# Altium PCB pcb.PcbDoc
Units mm, origin at the board's own origin, x right, y up, seen from the top; angles counter-clockwise.
Board outline 65 x 45 mm, 4 copper layers (Top Layer, GND, SIG, Bottom Layer), stack 0.778 mm thick; 97 components, 73 nets, 368 pads, 150 vias.
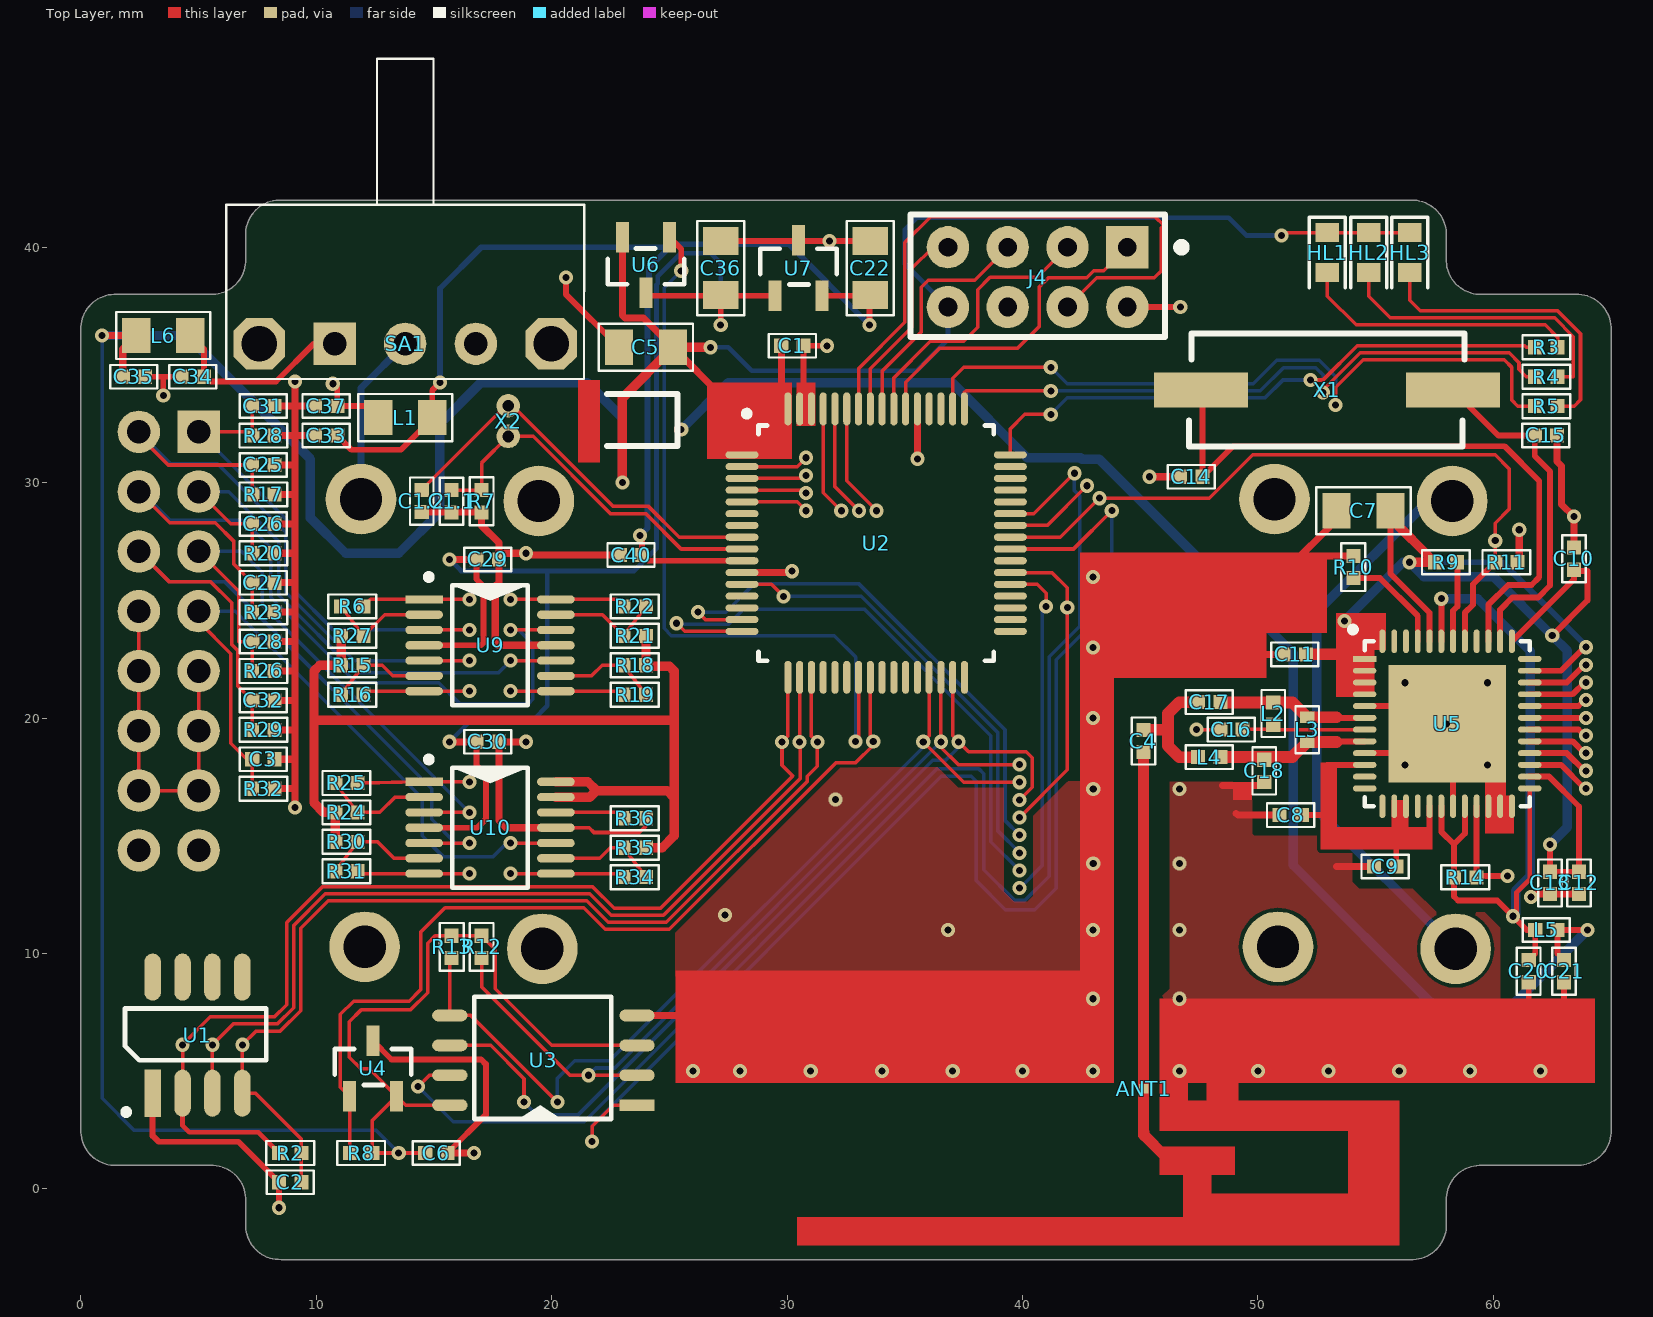
[diagram p0: Top Layer view]
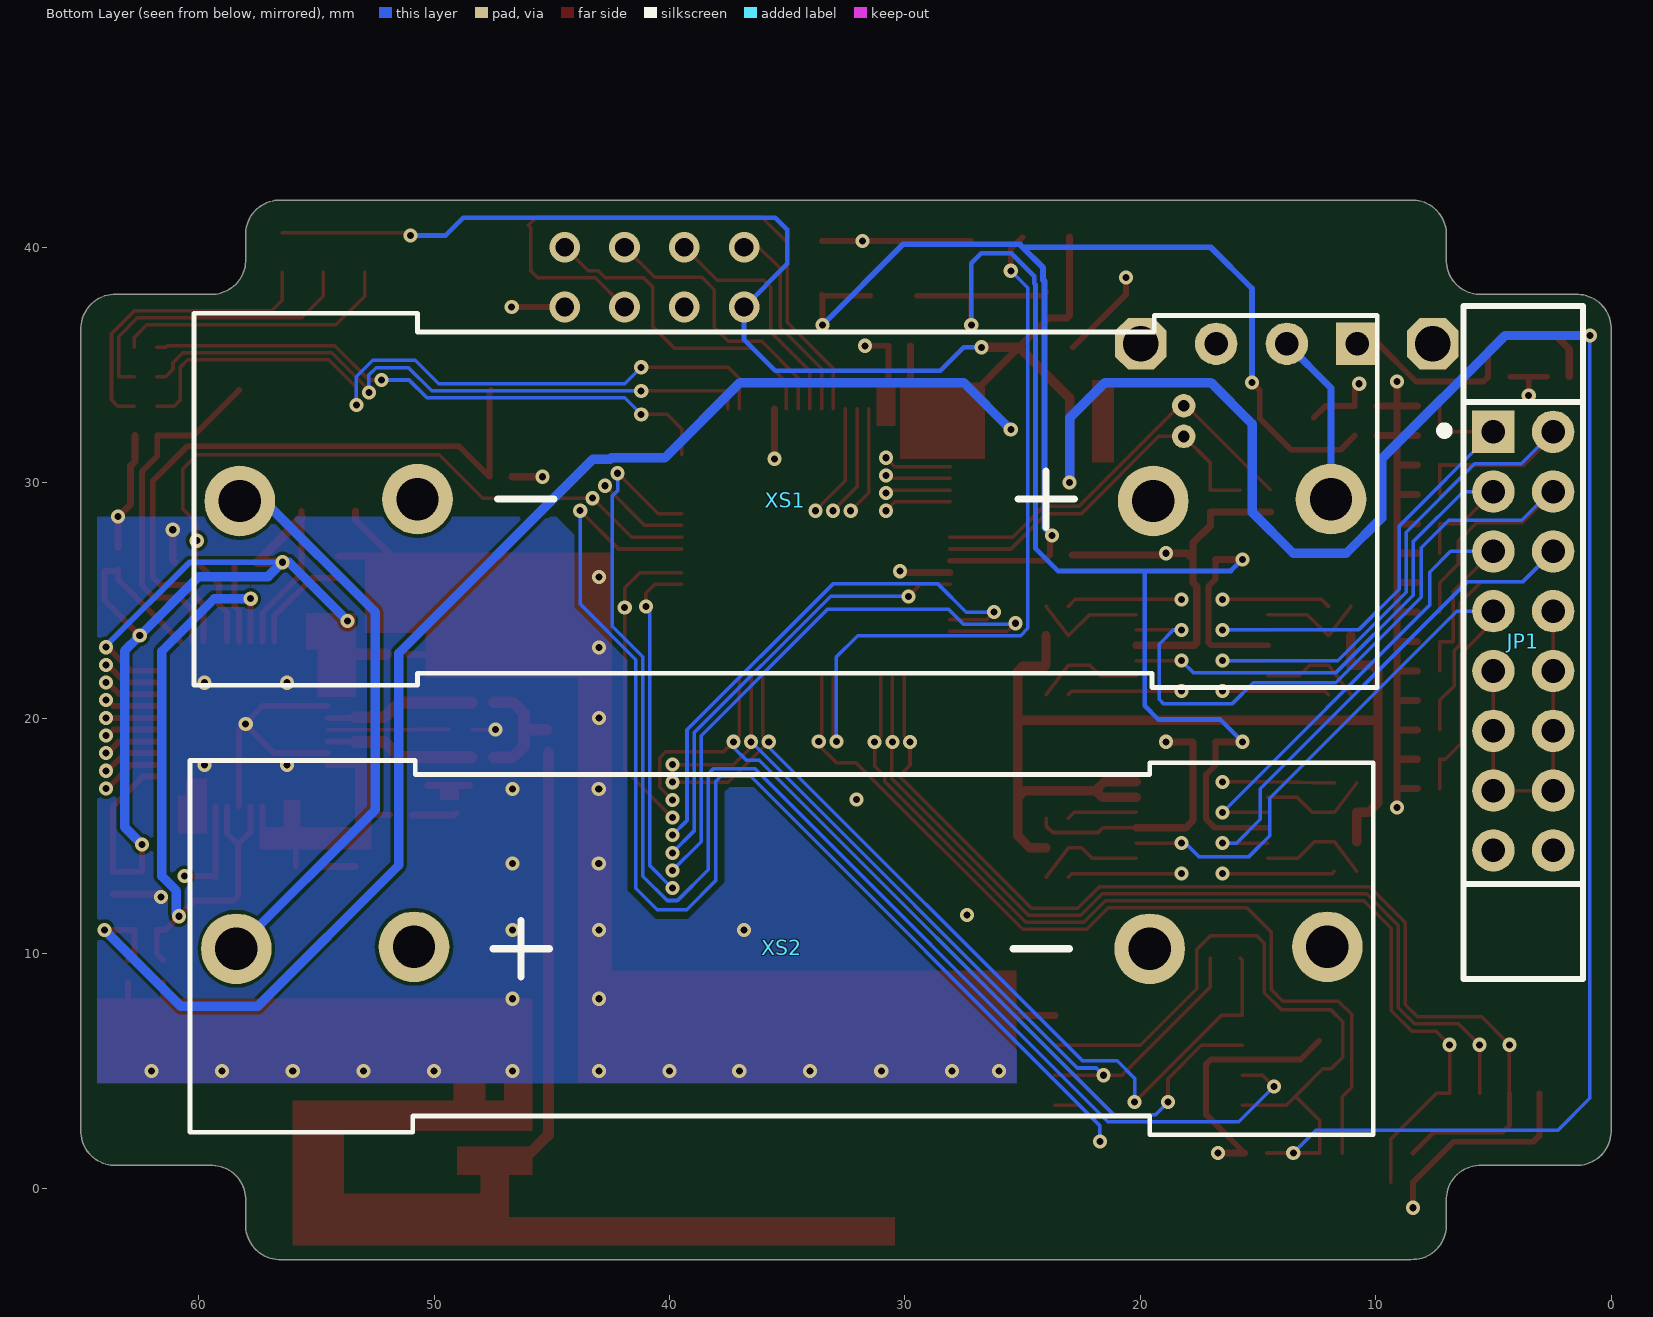
[diagram p1: Bottom Layer view, seen from below]
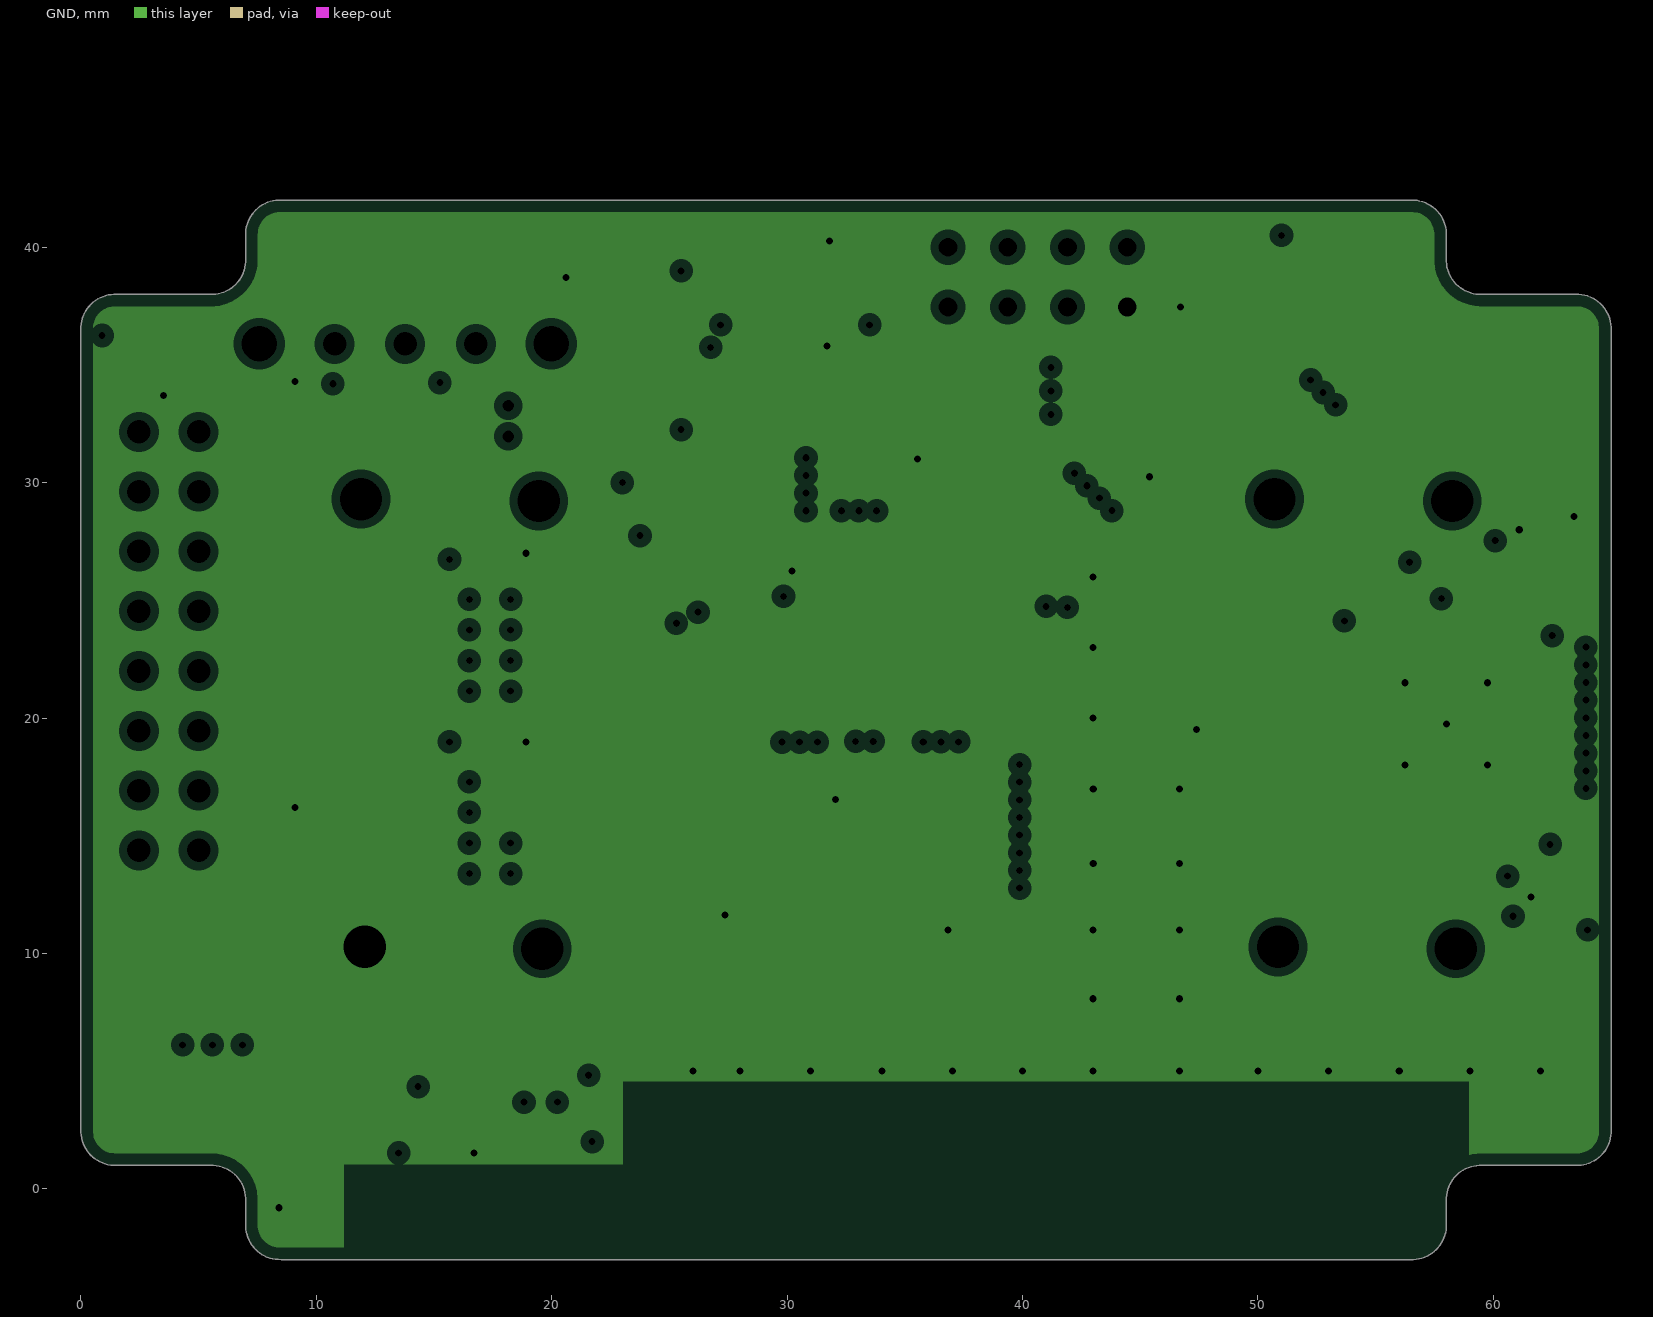
[diagram p2: GND, clearances drawn from the general rule]
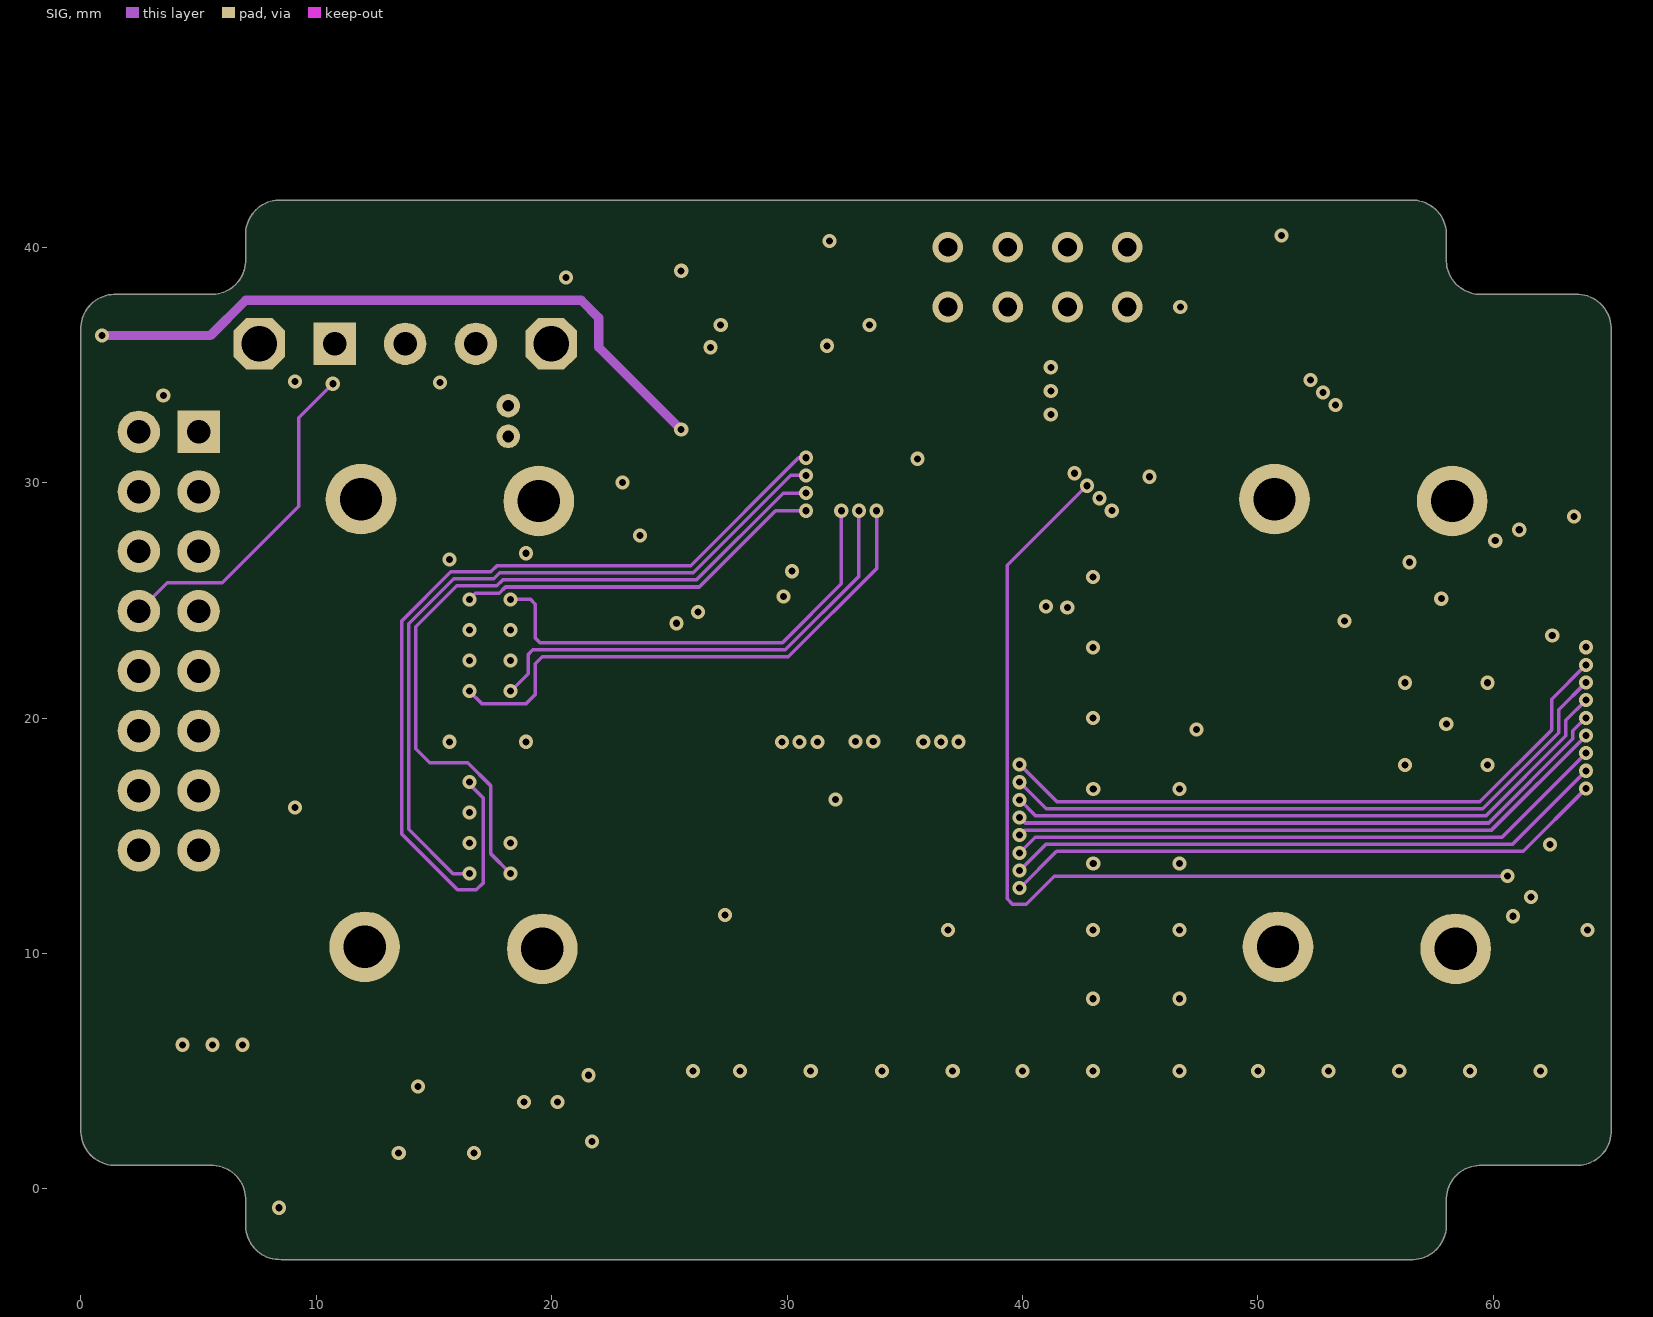
[diagram p3: SIG]

## Layer stack, top to bottom
Top Solder: solder mask 0.0102, Solder Resist, Dk 3.5
Top Layer: signal copper 0.0356
Dielectric 1: core 0.254, FR-4, Dk 4.2
GND: plane copper 0.036, net GND
Dielectric 2: core 0.254, Dk 4.2
SIG: signal copper 0.036
Dielectric 3: prepreg 0.127, Dk 4.2
Bottom Layer: signal copper 0.0356
Bottom Solder: solder mask 0.0102, Solder Resist, Dk 3.5

## Board outline
1.5,1 5.5,1 cw(c5.55,-0.45) 7,-0.4 7,-1.6 ccw(c8.45,-1.55) 8.5,-3 56.6,-3 ccw(c56.55,-1.55) 58,-1.5 58,-0.5 cw(c59.45,-0.45) 59.4,1 63.6,1 ccw(c63.55,2.45) 65,2.5 65,36.6 ccw(c63.55,36.55) 63.5,38 59.5,38 cw(c59.45,39.45) 58,39.4 58,40.6 ccw(c56.55,40.55) 56.5,42 8.4,42 ccw(c8.45,40.55) 7,40.5 7,39.5 cw(c5.55,39.45) 5.6,38 1.4,38 ccw(c1.45,36.55) 0,36.5 0,2.4 ccw(c1.45,2.45)

## Design rules (kind name [scope] priority, off if disabled: settings)
Clearance [All] p1: gap=0.15
HoleSize [All] p1: absolutevalues=TRUE maxlimit=5 minlimit=0.3 maxpercent=80.000 minpercent=20.000
PlaneClearance [All] p1: clearance=0.35
PlaneConnect [All] p1: planeconnectstyle=Direct reliefexpansion=0.508 reliefentries=4 reliefconductorwidth=0.254 reliefairgap=0.254
PolygonConnect [All] p1: connectstyle=Direct reliefconductorwidth=0.254 reliefentries=4 polygonreliefangle="90 Angle" airgapwidth=0.254
RoomDefinition SIG_CON [InComponentClass('SIG_CON')] p1: confinementstyle=ConfineIn formatcopy=TRUE lockcomponents=FALSE outline -93,-47 -42.2,-47 -42.2,-21.6 -93,-21.6
RoomDefinition scheme_grab [InComponentClass('scheme_grab')] p2: confinementstyle=ConfineIn formatcopy=TRUE lockcomponents=FALSE outline -93,-47 -42.2,-47 -42.2,-21.6 -93,-21.6
RoutingVias [All] p1: holewidth=0.3 width=1 viastyle="Through Hole" minholewidth=0.3 minwidth=0.6 maxholewidth=1 maxwidth=1
SolderMaskExpansion [All] p1: expansion=0.102
UnpouredPolygon [All] p1: allowunpoured=FALSE
Width [All] p1: maxlimit=2 minlimit=0.15 preferedwidth=0.15
26 further rules are at their usual default settings.

## Classes and differential pairs
component class scheme_grab: ANT1 C1 C1.1 C1.2 C2 C4 C5 C6 C7 C8 C9 C10 C11 C12 C13 C14 C15 C16 C17 C18 C20 C21 C22 C29 C30 C34 C35 C36 C40 HL1 HL2 HL3 J4 L2 L3 L4 L5 L6 R2 R3 R4 R5 R6 R7 R8 R9 R10 R11 R12 R13 R14 R15 R16 R18 R19 R21 R22 R24 R25 R27 R30 R31 R34 R35 R36 SA1 U1 U2 U3 U4 U5 U6 U7 U9 U10 X1 X2 XS1 XS2
component class SIG_CON: C3 C25 C26 C27 C28 C31 C32 C33 C37 JP1 L1 R17 R20 R23 R26 R28 R29 R32

## Components (designator, comment, footprint, x,y, rotation, side; value= is the part's Value field where it differs from the comment)
ANT1 "PCB ANTENNA 2.4Ghz" F-antena 45.822,4.496 r180 top
C1 "100 нФ" CAP0402 30.226,35.814 r0 top
C1.1 "8 пФ" CAP0402 15.748,29.21 r270 top
C1.2 "8 пФ" CAP0402 14.478,29.219 r270 top
C2 "100 нФ" CAP0402 8.89,0.282 r0 top
C3 "10 нф" CAP0402 7.75,18.25 r180 top
C4 "5.6 pF, +/- 0.25pF, NP0, 0402" CAP0402 45.136,19.025 r270 top
C5 "10 мкФ" CAP0805 24.003,35.75 r180 top
C6 "100 нФ" CAP0402 15.1,1.524 r180 top
C7 "10 мкФ" CAP0805 54.483,28.804 r180 top
C8 "100 нФ" CAP0402 51.384,15.875 r180 top
C9 "100 нФ" CAP0402 55.397,13.691 r180 top
C10 "100 нФ" CAP0402 63.424,26.772 r270 top
C11 "100 нФ" CAP0402 51.562,22.708 r180 top
C12 "33 пФ" CAP0402 63.633,12.995 r270 top
C13 "100 нФ" CAP0402 62.408,12.995 r270 top
C14 "Расчет в pdf cc2420 стр 54" CAP0402 47.168,30.251 r180 top
C15 "27 пф" CAP0402 62.23,32.004 r0 top
C16 "5.6 pF, 10%, X5R, 0402" CAP0402 48.87,19.507 r180 top
C17 "0.5 pF, +/- 0.25pF, NP0, 0402" CAP0402 47.93,20.676 r0 top
C18 "0.5 pF, +/- 0.25pF, NP0, 0402" CAP0402 50.267,17.755 r270 top
C20 "100 нФ" CAP0402 61.5,9.25 r90 top
C21 "100 нФ" CAP0402 63,9.25 r90 top
C22 "10 мкФ" CAP0805 33.528,39.116 r270 top
C25 "10 нф" CAP0402 7.75,30.75 r0 top
C26 "10 нф" CAP0402 7.75,28.25 r0 top
C27 "10 нф" CAP0402 7.75,25.75 r180 top
C28 "10 нф" CAP0402 7.75,23.25 r180 top
C29 "100 нФ" CAP0402 17.278,26.742 r180 top
C30 "100 нФ" CAP0402 17.278,18.992 r180 top
C31 "10 нф" CAP0402 7.75,33.25 r0 top
C32 "10 нф" CAP0402 7.75,20.75 r180 top
C33 "100 нФ" CAP0402 10.414,32 r0 top
C34 "100 нФ" CAP0402 4.75,34.5 r0 top
C35 "100 нФ" CAP0402 2.25,34.5 r180 top
C36 "10 мкФ" CAP0805 27.178,39.116 r90 top
C37 "100 нФ" CAP0402 10.414,33.25 r0 top
C40 "100 нФ" CAP0402 23.368,26.924 r0 top
HL1 "Красный" "LED 0603" 53,39.75 r90 top
HL2 "Зеленый" "LED 0603" 54.75,39.75 r90 top
HL3 "Пурпурный" "LED 0603" 56.5,39.75 r90 top
J4 "?" "PBD-08 - POGO PIN" 44.45,40 r270 top
JP1 "?" IDC-16MR 5,22 r90 bottom locked
L1 "BK1005HS102-T" IND0805 13.775,32.766 r180 top
L2 "BK1005HS102-T" IND0402 50.648,20.193 r90 top
L3 "BK1005HS102-T" "IND0402 - SMAL" 52.095,19.507 r90 top
L4 "BK1005HS102-T" IND0402 47.93,18.339 r0 top
L5 "BK1005HS102-T" IND0402 62.25,11 r180 top
L6 "BK1005HS102-T" IND0805 3.5,36.25 r180 top
R2 "RES0805" RES0402 8.89,1.524 r0 top
R3 "RES0805" RES0402 62.25,35.75 r180 top
R4 "RES0805" RES0402 62.25,34.5 r180 top
R5 "RES0805" RES0402 62.25,33.25 r180 top
R6 "RES0805" RES0402 11.528,24.742 r180 top
R7 "RES0805" RES0402 17.018,29.21 r270 top
R8 "RES0805" RES0402 11.9,1.524 r0 top
R9 "RES0805" RES0402 57.985,26.619 r180 top
R10 "RES0805" RES0402 54.051,26.416 r270 top
R11 "RES0805" RES0402 60.554,26.619 r180 top
R12 "RES0805" RES0402 17.018,10.281 r90 top
R13 "RES0805" RES0402 15.748,10.281 r90 top
R14 "RES0805" RES0402 58.801,13.233 r180 top
R15 "RES0805" RES0402 11.528,22.242 r180 top
R16 "RES0805" RES0402 11.528,20.992 r180 top
R17 "RES0805" RES0402 7.75,29.5 r180 top
R18 "RES0805" RES0402 23.528,22.242 r180 top
R19 "RES0805" RES0402 23.528,20.992 r180 top
R20 "RES0805" RES0402 7.75,27 r180 top
R21 "RES0805" RES0402 23.528,23.492 r180 top
R22 "RES0805" RES0402 23.528,24.742 r180 top
R23 "RES0805" RES0402 7.75,24.5 r0 top
R24 "RES0805" RES0402 11.278,15.992 r180 top
R25 "RES0805" RES0402 11.278,17.242 r180 top
R26 "RES0805" RES0402 7.75,22 r0 top
R27 "RES0805" RES0402 11.528,23.492 r180 top
R28 "RES0805" RES0402 7.75,32 r180 top
R29 "RES0805" RES0402 7.75,19.5 r0 top
R30 "RES0805" RES0402 11.278,14.742 r180 top
R31 "RES0805" RES0402 11.278,13.492 r180 top
R32 "RES0805" RES0402 7.75,17 r0 top
R34 "RES0805" RES0402 23.528,13.242 r180 top
R35 "RES0805" RES0402 23.528,14.492 r180 top
R36 "RES0805" RES0402 23.528,15.742 r180 top
SA1 "Slide switch 3 pin" SS12F23 10.775,35.9 r0 top locked
U1 "SHT1x" SHT1x 1.777,4.064 r90 top
U2 "M430F1611-QUAD" LQFP-64 33.782,27.432 r0 top locked
U3 "M25P80V6-QUAD" So-8W 23.622,3.556 r180 top
U4 "DS2411-QUAD" SOT-23-3v2 12.406,5.116 r90 top
U5 "CC2420-QUAD" QLP-48 58.038,19.758 r0 top
U6 "IRLML6402" SOT-23-3 24,39.25 r270 top
U7 "REF3320-QUAD" SOT-23-3v2 30.48,39.116 r90 top
U9 "OPA4376-QUAD" TSSOP-14 25.778,17.242 r0 top
U10 "OPA4376-QUAD" TSSOP-14 25.778,9.492 r0 top
X1 "16 МГц" Crystal_3 65.278,24.638 r180 top
X2 "32.768k" Crystal_1_V1 22.352,32.766 r180 top
XS1 "Топология ПП" "KEYSTONE AA CLIPS" 11.9,29.3 r0 bottom locked
XS2 "Топология ПП" "KEYSTONE AA CLIPS" 58.4,10.2 r180 bottom locked

## Footprints (in the part's own frame and the unit in brackets; to place one, negate y for a bottom-side part, rotate by r counter-clockwise, add the part's x,y. Pads: shape width x height; smd on the part's side, far side on the other; paste and mask are expansions set on the pad)
CAP0402 [mm]
  rect 0.6x0.6 smd: 1(-0.475,0) 2(0.473,0)
  silkscreen extent -1,-0.5 1,0.5, body extent -0.5,-0.25 0.5,0.25, height 0.5
CAP0805 [mm]
  rect 1.2x1.5 smd: 1(-1.148,0) 2(1.148,0)
  silkscreen extent -2,-1 2,1, body extent -1,-0.6 1,0.65, height 0.78
Crystal_1_V1 [mm]
  round 1 hole 0.5: 1(4.2,0.8) 2(4.2,-0.5)
  Top Layer region: 0.3,-1.6 1.228,-1.6 1.228,1.9 0.3,1.9
  silkscreen extent -3,-1 0,1.2, body extent -2.87,-0.9 4.27,1.1, height 2.5
Crystal_3 [mm]
  rect 4x1.5 smd: 1(7,-9.3) 2(17.7,-9.3)
  silkscreen extent 6.5,-11.7 18.2,-6.9, body extent 5.8,-11.7 19,-6.9, height 4.3
F-antena [mm] "2.4 Ghz fow zigbee"
  rect 0.4x0.4 smd: 0(0.675,0.25)
  Top Layer region: -10.18,5.7 15.4,5.7 15.4,6.91 -10.18,6.91
  Top Layer region: -0.037,3.238 -0.362,2.913 0.45,2.1 0.775,2.425
  Top Layer region: -8,0.74 0,0.74 0,2.03 -8,2.03
  Top Layer region: 0.45,0 0.91,0 0.91,2.1 0.45,2.1
  Top Layer region: -2.2,3.9 -1,3.9 -1,5.7 -2.2,5.7
  Top Layer region: -8,4.7 -2.2,4.7 -2.2,5.7 -8,5.7
  Top Layer region: -10.18,0.74 -8,0.74 -8,5.7 -10.18,5.7
  Top Layer region: -1.2,0 0,0 0,0.74 -1.2,0.74
  Top Layer region: -3.2,2.69 0,2.69 0,3.9 -3.2,3.9
  Top Layer region: -3.35,0 -2,0 -2,0.74 -3.35,0.74
  Top Layer region: 0.45,2.03 0.45,2.1 0.775,2.425 0.91,2.291 0.91,2.03
IDC-16MR [mm] "угловой разьем на плату"
  rect 1.8x1.8 hole 1: 1(10.16,0)
  round 1.8 hole 1: 2(10.16,-2.54) 3(7.62,0) 4(7.62,-2.54) 5(5.08,0) 6(5.08,-2.54) 7(2.54,0) 8(2.54,-2.54) 9(0,0) 10(0,-2.54) 11(-2.54,0) 12(-2.54,-2.54) 13(-5.08,0) 14(-5.08,-2.54) 15(-7.62,0) 16(-7.62,-2.54)
  silkscreen extent -13.08,-3.81 15.5,2.18, body extent -13.01,-13.2 15.55,0.36, height 8.98
IND0402 [mm]
  rect 0.6x0.6 smd: 1(-0.475,0) 2(0.473,0)
  silkscreen extent -1,-0.5 1,0.5, body extent -0.5,-0.25 0.5,0.25, height 0.5
"IND0402 - SMAL" [mm]
  rect 0.5x0.6 smd: 1(-0.525,0) 2(0.525,0)
  silkscreen extent -1,-0.5 1,0.5, body extent -0.5,-0.25 0.5,0.25, height 0.5
IND0805 [mm]
  rect 1.2x1.5 smd: 1(-1.148,0) 2(1.148,0)
  silkscreen extent -2,-1 2,1, body extent -1.05,-0.75 1.05,0.75, height 1.9
"KEYSTONE AA CLIPS" [mm]
  round 3 hole 1.8: 0(7.55,0.081) 0(38.8,0) 1(0,0) 2(46.35,0.081)
  silkscreen extent -1.96,-7.9 48.3,8, body extent -2,-7.88 48.3,7.96, height 17.25
"LED 0603" [mm] "LED 0603"
  rect 0.8x1 smd: A(0.872,0.051) C(-0.821,0.051)
  silkscreen extent -1.47,-0.71 1.52,0.81, body extent -0.81,-0.34 0.81,0.46, height 0.6
LQFP-64 [mm] "LQFP, 64-Leads, Body 10,00x10,00mm, Pitch 0,50mm, IPC Medium Density"
  oval 1.4x0.3 smd: 1(-5.7,3.75) 2(-5.7,3.25) 3(-5.7,2.75) 4(-5.7,2.25) 5(-5.7,1.75) 6(-5.7,1.25) 7(-5.7,0.75) 8(-5.7,0.25) 9(-5.7,-0.25) 10(-5.7,-0.75) 11(-5.7,-1.25) 12(-5.7,-1.75) 13(-5.7,-2.25) 14(-5.7,-2.75) 15(-5.7,-3.25) 16(-5.7,-3.75) 33(5.7,-3.75) 34(5.7,-3.25) 35(5.7,-2.75) 36(5.7,-2.25) 37(5.7,-1.75) 38(5.7,-1.25) 39(5.7,-0.75) 40(5.7,-0.25) 41(5.7,0.25) 42(5.7,0.75) 43(5.7,1.25) 44(5.7,1.75) 45(5.7,2.25) 46(5.7,2.75) 47(5.7,3.25) 48(5.7,3.75)
  oval 0.3x1.4 smd: 17(-3.75,-5.7) 18(-3.25,-5.7) 19(-2.75,-5.7) 20(-2.25,-5.7) 21(-1.75,-5.7) 22(-1.25,-5.7) 23(-0.75,-5.7) 24(-0.25,-5.7) 25(0.25,-5.7) 26(0.75,-5.7) 27(1.25,-5.7) 28(1.75,-5.7) 29(2.25,-5.7) 30(2.75,-5.7) 31(3.25,-5.7) 32(3.75,-5.7) 49(3.75,5.7) 50(3.25,5.7) 51(2.75,5.7) 52(2.25,5.7) 53(1.75,5.7) 54(1.25,5.7) 55(0.75,5.7) 56(0.25,5.7) 57(-0.25,5.7) 58(-0.75,5.7) 59(-1.25,5.7) 60(-1.75,5.7) 61(-2.25,5.7) 62(-2.75,5.7) 63(-3.25,5.7) 64(-3.75,5.7)
  silkscreen extent -5.62,-5 5,5.62, body extent -6,-6 6,6, height 1.6
"PBD-08 - POGO PIN" [mm]
  rect 1.8x1.8 smd: 1(0,0)
  round 1.8 smd: 2(2.54,0) 3(0,-2.54) 4(2.54,-2.54) 5(0,-5.08) 6(2.54,-5.08) 7(0,-7.62) 8(2.54,-7.62)